# KiCad board 2000ATX.kicad_pcb (continued)
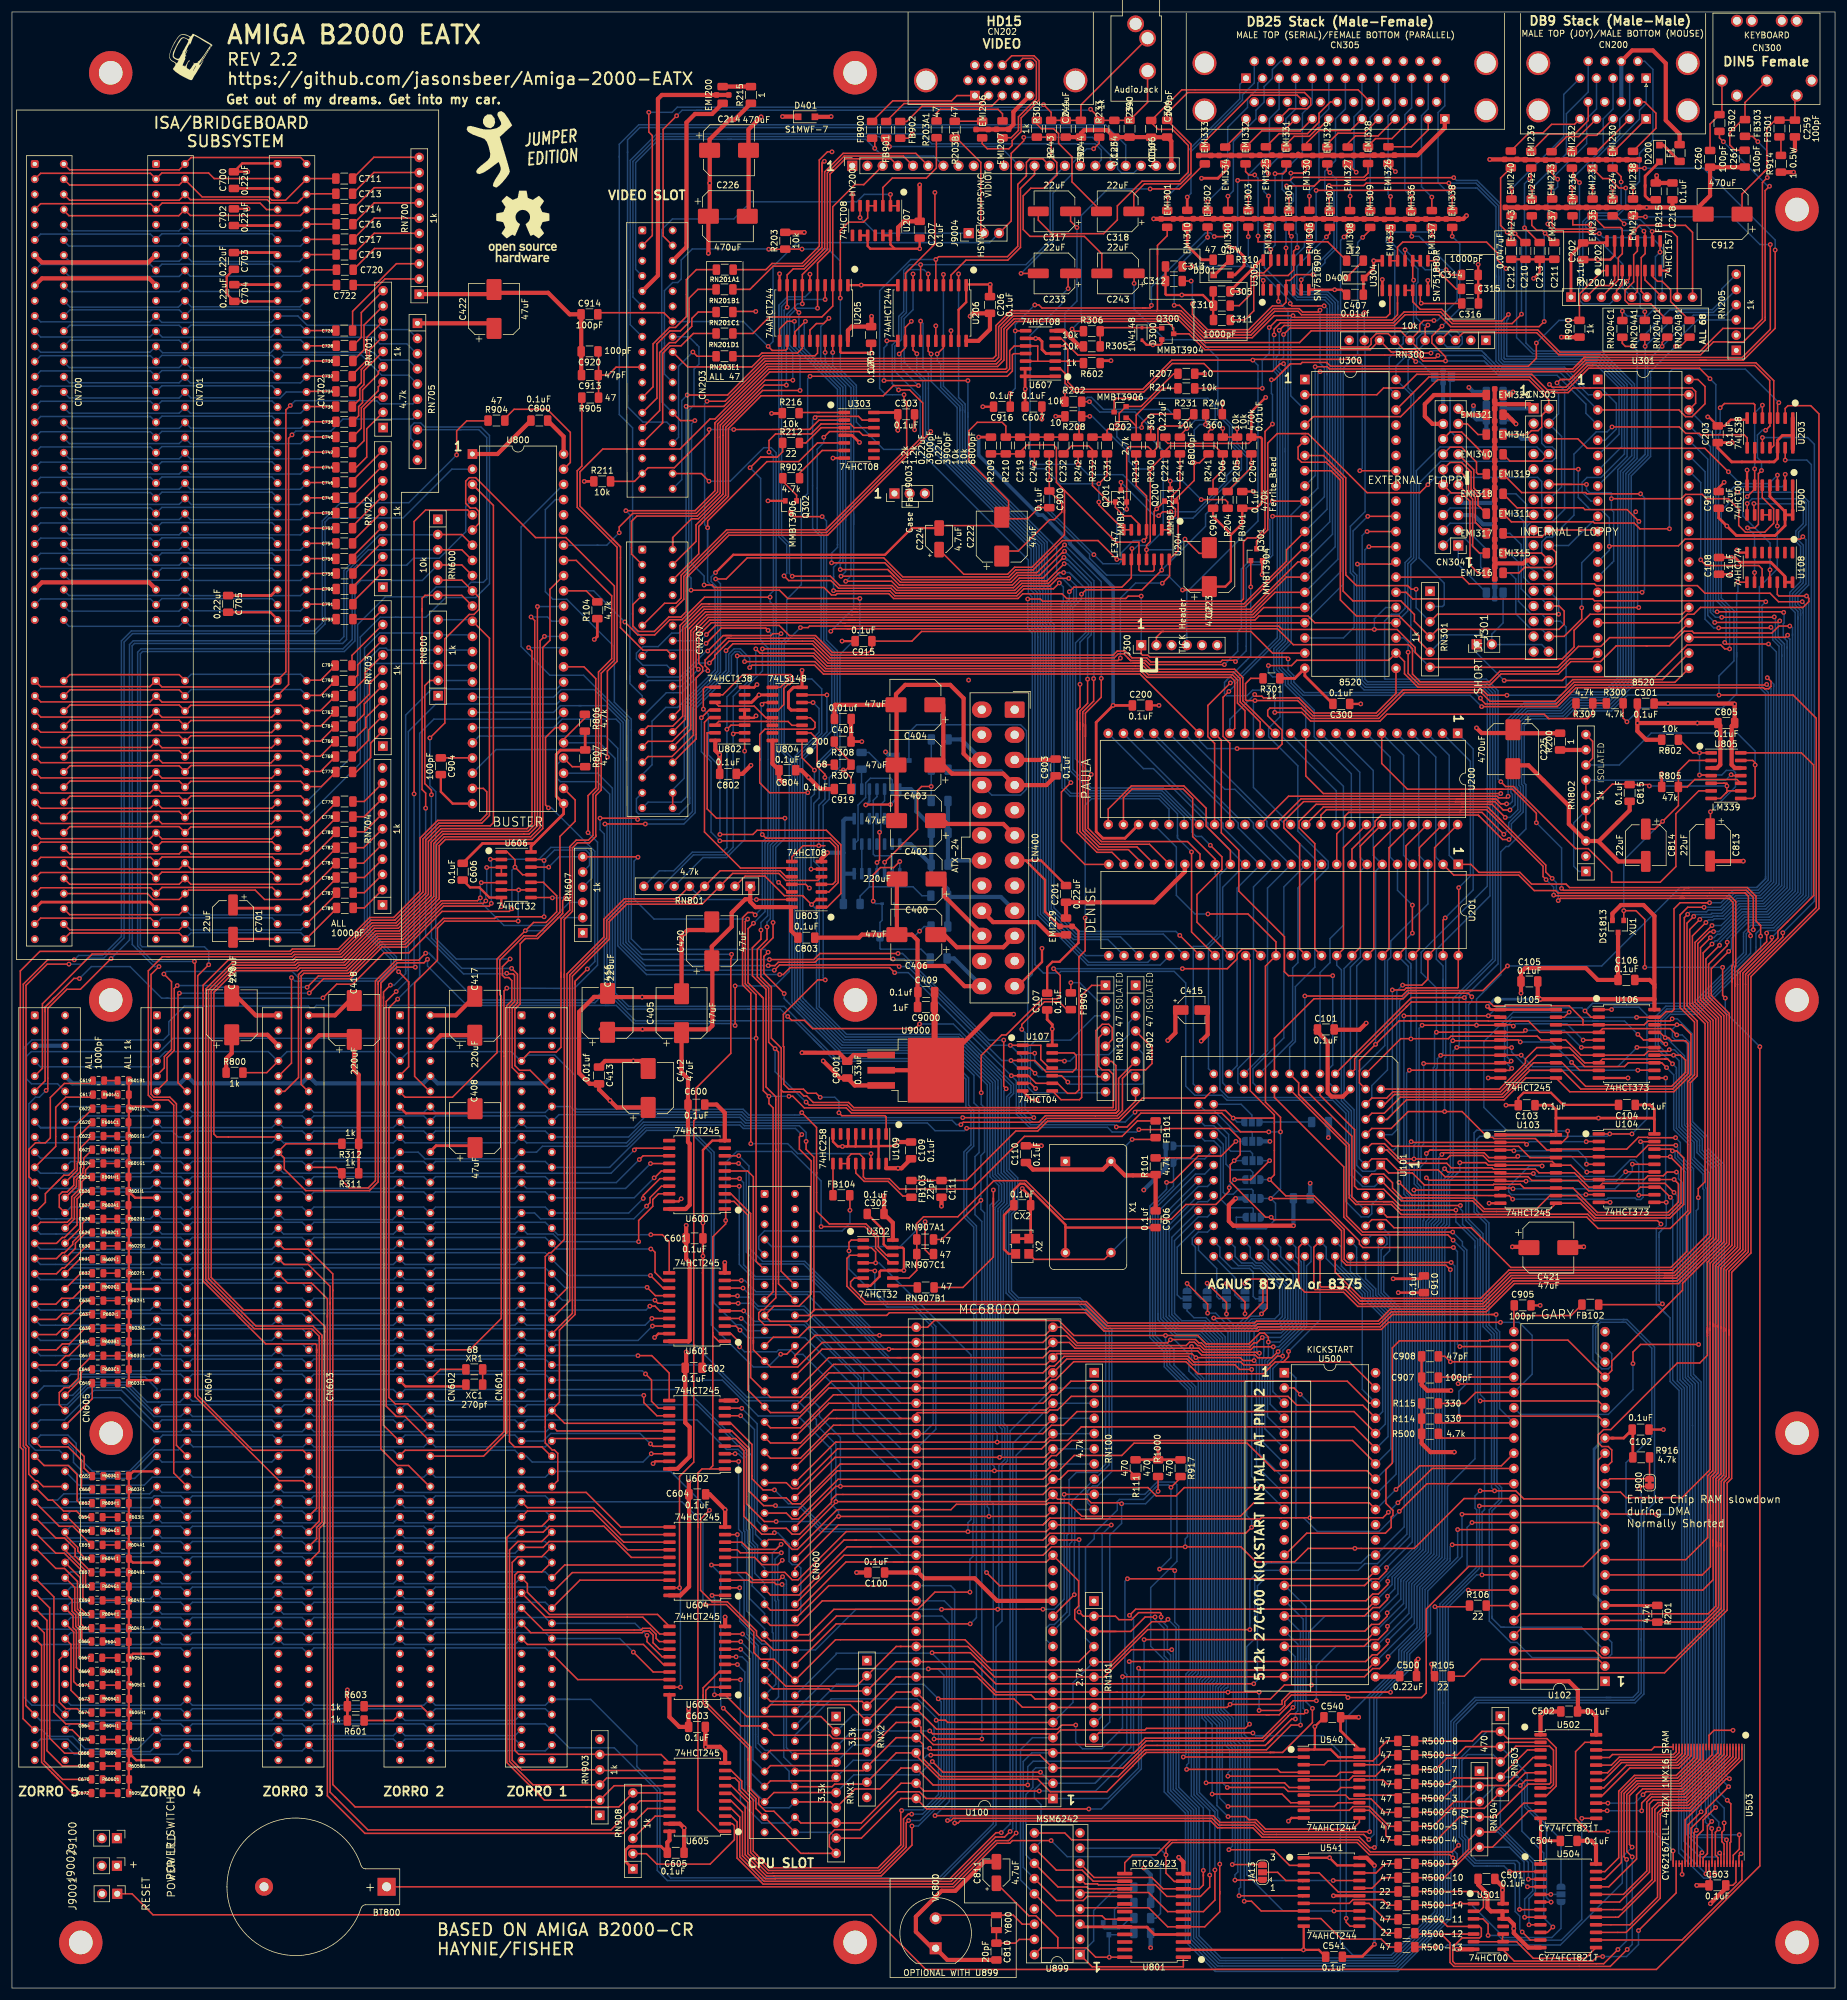
[diagram p0: board, top side]
## Routing (per net, layer and track width the routed paths; a pad name or vN(x,y) marks a point on that pad's centre or on a via; arc(x,y) is an arc through that point) (continued)
_WE: length 172.6
  Top w0.25: U541.11 223.71,10.34 223.07,10.98 v1(223.07,11.64) ; U101.21 224.02,142.35 224.02,132.22 224.84,131.4 229.33,131.4 ; 229.33,131.4 230.79,131.4 232.19,130 v1(241.4,130) ; 229.33,131.4 230.36,131.4
  Bottom w0.25: v1(241.4,130) 241.4,128.04 244.59,124.85 244.59,123.71 ; 244.59,123.71 244.59,124.01 ; 244.59,123.71 244.59,88.44 240,83.84 239.99,71.76 239.99,71.58 235.36,66.94 235.36,60.02 231.86,56.53 231.86,53.96 223.06,45.16 v1(223.07,11.64)
_XCLKEN: length 185.6
  Top w0.25: v1(141.76,232.19) 129.71,232.19 128.32,233.58 v1(113.54,233.58) ; 146.16,143.49 146.16,145.57 145.96,145.77 138.75,145.77 v1(138.26,146.26) ; v1(135.13,148.84) 134.46,149.51 133.01,149.51 132.33,150.19 129.9,150.19 129.05,151.04 129.05,157.27 128.97,157.35 128.97,162.7 134.72,168.46 v1(135.97,168.46)
  Bottom w0.25: v1(135.97,168.46) 135.62,168.81 135.62,197.64 136.64,198.66 136.64,202.24 138.42,204.03 138.42,222.84 141.76,226.18 v1(141.76,232.19) ; v1(113.54,233.58) 113.54,235.6 113.15,235.99 113.16,263.66 114.03,264.53 114.03,270.52 114.86,271.35 114.86,274.24 114.57,274.54 ; 114.57,274.54 114.48,274.63 ; 114.57,274.54 113.18,275.93 CN203.16 ; v1(135.13,148.84) 137.58,148.84 138.26,148.16 v1(138.26,146.26)
A1: length 176.4
  Top w0.25: v1(207.26,103.37) 205.24,103.37 204.45,104.16 197.41,104.16 196.46,105.11 176.36,105.11 U100.29 172.63,101.38 137.02,101.38 131.8,96.16 126.81,96.16 CN600.29 123.05,99.92 123.05,118.27 ; 123.05,118.27 123.05,129.13 120.74,131.45 U600.2 ; 123.05,118.27 123.05,118.46
  Bottom w0.25: 212.8,79.96 207.26,85.5 v1(207.26,103.37) 206.89,103.74 206.89,109.57 207.79,110.47 211.93,110.47 213.3,111.84 213.3,117.51 U101.60 ; U100.29 174.22,102.79
A2: length 297.5
  Top w0.25: 195.35,10.19 196.38,10.19 ; U899.4 178.77,13.42 190.04,13.42 193.22,10.23 U801.5 199.42,10.23 201.93,12.74 201.93,16.11 ; 201.93,16.11 201.93,15.74 ; 201.93,16.11 v1(201.93,20.71) ; 119.18,132.72 120.2,132.72 123.5,129.42 123.5,102.01 CN600.27 126.81,98.7 131.84,98.7 137.34,104.21 172.92,104.21 U100.30 174.72,106.01 197.27,106.01 v1(197.94,105.33) 205.36,105.33 205.84,104.85 v1(207.67,104.85)
  Bottom w0.25: 200.17,31.01 198.53,32.66 198.53,51.47 199.24,52.19 199.24,101.9 198.37,102.77 198.37,104.91 v1(197.94,105.33) ; 200.17,31.01 201.57,29.62 201.57,28.56 201.93,28.19 v1(201.93,20.71) ; 200.17,31.01 201.44,29.74 ; 212.8,82.5 208.07,87.23 208.07,104.45 v1(207.67,104.85) 207.67,109.63 208.03,109.98 212.08,109.98 213.75,111.65 213.75,118.06 210.04,121.78 210.04,123.31 U101.61 ; U100.30 174.07,105.33
A3: length 294.2
  Top w0.25: U899.5 178.77,15.96 190.04,15.96 193.22,12.77 U801.7 199.2,12.77 201.12,14.69 v1(201.12,19.74) ; v1(208.56,106.1) 208.16,106.1 208.02,106.23 199.16,106.23 198.49,106.91 197.5,106.91 v1(197.22,107.19) 196.93,106.91 177.75,106.91 176.79,107.87 U100.31 172.92,106.75 147.3,106.75 ; CN600.26 135.44,106.75 v1(146.6,106.75) 147.3,106.75 ; 196.38,12.73 195.35,12.73 ; 147.3,106.75 147.15,106.75 ; v1(121.65,135.26) U600.5
  Bottom w0.25: 197.22,107.14 197.22,104.99 197.87,104.34 197.87,102.64 198.79,101.71 198.79,52.38 198.08,51.66 198.08,32.47 200.87,29.68 ; U100.31 174.04,107.85 ; v1(121.65,135.26) 122.32,134.58 122.32,120.86 124.29,118.89 133.82,118.89 145.96,106.75 v1(146.6,106.75) ; U101.62 214.2,119.15 214.2,111.47 212.21,109.47 208.79,109.47 208.76,109.5 208.12,108.86 208.12,106.53 v1(208.56,106.1) 208.56,89.28 212.8,85.04 ; v1(201.12,19.74) 201.12,29.43 ; 201.12,29.43 200.87,29.68 ; 201.12,29.43 200.87,29.68
A4: length 294.7
  Top w0.25: U899.6 179.45,17.4 181.48,17.4 181.66,17.23 191.18,17.23 193.09,15.31 U801.9 198.7,15.31 200.25,16.86 v1(200.25,18.87) ; CN600.24 130.91,105.69 134.29,109.07 v1(145.04,109.07) 172.69,109.07 U100.32 175.52,110.41 178.13,107.81 193.18,107.81 v1(193.69,108.32) 193.74,108.37 197.87,108.37 198.43,107.81 198.86,107.81 199.49,107.17 206.9,107.17 206.94,107.13 206.95,107.13 207.62,107.81 208.14,107.81 v1(209.04,108.71) ; 195.35,15.27 196.38,15.27 ; U600.7 v1(121.48,137.8)
  Bottom w0.25: U101.63 212.11,123.78 212.11,122.25 214.65,119.7 214.65,111.28 212.08,108.71 v1(209.04,108.71) 209.28,108.47 209.28,106.44 ; U100.32 174.4,110.41 ; 212.8,87.58 209.01,91.37 209.01,105.07 209.28,105.35 209.28,106.44 ; v1(121.48,137.8) 122.77,136.5 122.77,122.98 124.77,120.98 132.36,120.98 144.28,109.07 v1(145.04,109.07) ; v1(193.69,108.32) 194.37,108.32 196.77,105.92 196.77,103.1 198.34,101.52 198.34,52.56 197.63,51.84 197.63,32.29 200.25,29.66 v1(200.25,18.87) ; 209.28,106.44 209.28,107.2
A5: length 298.6
  Top w0.25: v1(210.06,107.95) 210.06,108.77 209.39,109.44 208.61,109.44 206.8,107.62 199.68,107.62 198.26,109.04 v1(192.86,109.04) 177.53,109.04 175.03,111.54 154.21,111.54 153.08,110.41 U100.33 133.2,110.41 131.53,108.75 127.28,108.75 CN600.21 ; 195.35,16.54 197.01,16.54 ; U600.8 121.51,139.07 v1(121.51,139.06) ; 199.19,18.71 199.19,18.89 ; 199.19,18.89 199.19,17.22 198.55,16.58 U801.10 192.46,16.58 190.57,18.48 180.91,18.48 U899.7 ; 199.19,18.89 v1(199.19,19.65)
  Bottom w0.25: 121.51,139.07 v1(121.51,139.06) 123.22,137.35 123.22,123.7 125.49,121.43 132.55,121.43 143.57,110.41 U100.33 ; 195.91,102.47 197.89,100.49 197.89,52.81 197.18,52.09 197.18,32.1 199.19,30.09 v1(199.19,19.65) ; 195.91,102.47 194.27,104.1 194.27,106.66 192.86,108.07 v1(192.86,109.04) ; 195.91,102.47 195.77,102.6 ; 212.8,90.12 209.46,93.46 209.46,104.86 210.06,105.46 v1(210.06,107.95) 211.96,107.95 215.1,111.09 215.1,120.79 U101.64
A6: length 163.6
  Top w0.25: 123.95,108.22 123.95,106.64 CN600.23 126.81,103.78 131.38,103.78 135.48,107.87 172.38,107.87 173.5,109 176.3,109 177.94,107.36 196.32,107.36 196.88,107.92 197.68,107.92 198.24,107.36 198.67,107.36 199.35,106.68 207.13,106.68 207.6,107.15 v1(210.88,107.15) ; 123.95,108.22 123.95,107.64 ; 123.95,108.22 123.95,135.57 122.99,136.53 U600.6
  Bottom w0.25: U500.5 209.91,95.48 209.91,104.67 210.88,105.64 v1(210.88,107.15) 211.79,107.15 215.55,110.91 215.55,121.34 214.65,122.25 214.65,123.78 U101.65
A7: length 167.2
  Top w0.25: 148.64,105.33 172.38,105.33 173.5,106.46 198.23,106.46 198.9,105.78 207.83,105.78 208.3,105.32 210.65,105.32 v1(211.68,106.35) ; 148.64,105.33 147.93,105.33 ; 148.64,105.33 136.57,105.33 CN600.28 ; v1(121.59,133.99) U600.4
  Bottom w0.25: U100.35 146.74,105.33 133.63,118.44 124.1,118.44 121.59,120.95 v1(121.59,133.99) ; U500.4 210.36,97.57 210.36,104.48 211.68,105.81 v1(211.68,106.35) 211.68,106.4 216,110.72 216,122.12 U101.66
A8: length 463.9
  Top w0.25: v1(121.94,118.24) U601.9 ; 173.5,103.92 174.28,103.92 175.92,105.56 196.64,105.56 197.59,104.61 199.76,104.61 199.8,104.65 205.41,104.65 205.93,104.13 210.09,104.13 211.56,105.59 v1(212.45,105.59) ; 173.5,103.92 172.97,103.39 ; 173.5,103.92 173.3,103.72 ; v1(285.09,229.97) 296.11,229.97 ; U301.38 281.49,264.83 281.49,266.78 280.91,267.37 260.95,267.37 260.18,266.6 256.39,266.6 253.78,269.2 236.89,269.2 233.91,266.22 ; 276.16,118.61 250.83,118.61 246.11,113.9 225.01,113.9 222.65,116.26 216.18,116.26 215.12,117.32 215.12,123.78 U101.67 ; 276.16,118.61 278.23,118.61 284.86,125.24 284.86,161.93 281.85,164.94 281.85,174.54 283.85,176.53 v1(284.48,176.53) ; 276.16,118.61 277.89,118.61 ; 233.91,266.22 234.04,266.34 ; 233.91,266.22 U300.38 ; 173.53,103.94 173.3,103.72 ; 173.3,103.72 172.97,103.39 ; CN600.30 136.57,102.79 172.38,102.79 172.97,103.39
  Bottom w0.25: 289.57,180.3 290.53,180.3 ; 290.53,180.3 293.23,180.3 296.79,183.85 296.79,223.91 ; 290.53,180.3 289.14,180.3 285.37,176.53 v1(284.48,176.53) ; 296.79,223.91 296.79,225.07 296.15,225.71 296.15,227.97 296.28,228.1 296.28,229.81 v1(296.21,229.87) ; 296.79,223.91 296.79,224.13 ; v1(121.94,118.24) 122.51,118.24 124.39,116.35 135.08,116.35 148.64,102.79 U100.36 ; U500.3 210.81,99.66 210.81,103.51 212.45,105.16 212.45,106.53 216.45,110.53 216.45,120.65 217.19,121.39 217.19,123.78 U101.67 ; v1(285.09,229.97) 284.53,229.97 284.42,230.08 284.42,259.65 U301.38
A9: length 452.2
  Top w0.25: v1(122.22,116.97) U601.8 ; 276.27,119.51 277.52,119.51 ; 276.27,119.51 277.86,119.51 283.96,125.62 283.96,161.52 280.95,164.53 280.95,175.8 v1(283.21,178.05) ; 276.27,119.51 250.45,119.51 245.74,114.8 225.71,114.8 ; CN600.32 130.91,94.62 136.55,100.25 172.38,100.25 ; v1(213.43,106.38) 213.43,105.5 212.54,104.61 212.33,104.61 ; 172.38,100.25 173.79,101.67 174.52,101.67 177.51,104.66 196.27,104.66 198.28,102.65 209.25,102.65 211.21,104.61 212.33,104.61 ; 172.38,100.25 173.21,101.09 ; v1(285.85,229.06) 294.59,229.06 v1(294.64,229.11) ; 212.33,104.61 223.64,104.61 U500.41 ; U101.68 218.69,117.35 218.88,117.16 223.07,117.16 225.44,114.8 225.71,114.8 ; 225.71,114.8 226.01,114.8
  In1.Cu w0.25: U300.37 232.82,262.59 257.5,262.59 257.81,262.29 279.24,262.29 U301.37
  Bottom w0.25: v1(294.64,229.11) 294.83,228.92 294.83,225.46 295.89,224.4 295.89,222.53 ; 295.89,222.53 295.89,184.23 292.86,181.2 288.76,181.2 286.23,178.66 284.6,178.66 284.42,178.48 283.64,178.48 v1(283.21,178.05) ; 295.89,222.53 295.89,222.76 ; 283.97,230.23 283.97,257.56 U301.37 ; 283.97,230.23 283.97,229.89 284.81,229.06 v1(285.85,229.06) ; 283.97,230.23 283.97,230.02 ; U101.68 218.69,111.64 v1(213.43,106.38) ; 122.29,116.9 v1(122.22,116.97) 123.29,115.9 132.99,115.9 148.64,100.25 U100.37
A10: length 464.8
  Top w0.25: 276.32,119.06 278.05,119.06 284.41,125.43 284.41,161.7 281.4,164.72 281.4,174.72 v1(284.23,177.55) ; 276.32,119.06 250.64,119.06 245.93,114.35 225.61,114.35 ; 276.32,119.06 277.71,119.06 ; U601.7 119.22,115.66 v1(121.3,115.66) ; 225.61,114.35 225.25,114.35 222.89,116.71 217.86,116.71 217.66,116.91 217.66,123.78 U101.69 ; 225.61,114.35 226.26,114.35 ; v1(284.68,228.19) 295.3,228.19 v1(295.55,228.45) ; 228.04,97.74 226.91,97.74 223.24,101.4 177.05,101.4 174.77,99.13 173.79,99.13 172.38,97.71 136.57,97.71 CN600.34
  In1.Cu w0.25: U301.36 278.95,260.04 264.59,260.04 264.57,260.05 232.82,260.05 U300.36
  Bottom w0.25: 121.27,115.68 v1(121.3,115.66) 121.5,115.45 123.25,115.45 124.76,113.94 132.44,113.94 147.52,98.86 147.52,98.84 148.64,97.71 U100.38 ; 296.34,224.58 296.34,184.04 293.05,180.75 288.95,180.75 285.75,177.55 v1(284.23,177.55) ; 296.34,224.58 295.28,225.64 295.28,228.17 v1(295.55,228.45) ; 296.34,224.58 295.76,225.16 ; 295.76,228.24 295.61,228.4 ; U301.36 283.52,255.47 283.52,229.36 v1(284.68,228.19) ; 218.69,125.2 U101.69 219.73,123.78 219.73,121.9 225.76,115.87 225.76,100.03 228.04,97.74
A11: length 451.2
  Top w0.25: v1(121.41,114.42) 119.19,114.42 U601.6 ; 277.29,119.96 250.27,119.96 245.55,115.25 225.79,115.25 ; 277.29,119.96 277.67,119.96 ; 277.29,119.96 277.54,119.96 283.51,125.93 283.51,161.33 280.5,164.34 280.5,176.87 v1(282.19,178.56) ; CN600.36 136.57,95.17 148.64,95.17 ; v1(285.34,227.28) 293.98,227.28 v1(294.08,227.38) ; 225.79,115.25 226.01,115.25 ; 225.79,115.25 225.62,115.25 221.23,119.64 U101.70 ; 228.04,95.2 225.86,97.38 214.82,97.38 213.34,98.86 177.1,98.86 174.82,96.59 173.55,96.59 173.1,96.14 151.38,96.14 150.42,95.17 148.64,95.17 ; 148.64,95.17 148.27,95.17
  In1.Cu w0.25: U300.35 232.82,257.51 264.57,257.51 264.88,257.21 279.24,257.21 U301.35
  Bottom w0.25: 130.41,113.36 124.71,113.36 123.65,114.42 v1(121.41,114.42) ; 130.41,113.36 130.07,113.36 ; 130.41,113.36 132.38,113.36 142.41,103.33 142.41,101.41 148.64,95.17 U100.39 ; U301.35 283.07,253.38 283.07,228.73 284.52,227.28 v1(285.34,227.28) ; 294.13,227.38 294.38,227.13 294.38,225.27 295.44,224.21 295.44,184.41 292.67,181.65 288.58,181.65 286.05,179.12 285.19,179.12 ; v1(282.19,178.56) 282.56,178.93 284.23,178.93 284.42,179.12 285.19,179.12 ; 285.19,179.12 284.99,179.12 ; U101.70 221.23,121.03 226.21,116.06 226.21,115.04 229.17,112.08 229.17,96.32 228.04,95.2
A12: length 225.3
  Top w0.25: v1(122.33,113.16) 119.18,113.16 ; CN600.38 136.57,92.63 148.64,92.63 ; 228.04,92.66 224.38,96.32 178.06,96.32 175.77,94.03 173.77,94.03 172.38,92.63 148.64,92.63 ; U302.1 140.31,124.98 139.94,124.61 v1(139.94,123.18) ; 148.64,92.63 148.28,92.63
  Bottom w0.25: 228.04,92.66 229.62,94.23 229.62,112.27 226.66,115.23 226.66,116.25 222.27,120.63 222.27,123.78 U101.71 ; v1(139.94,123.18) 139.94,120.16 146.3,113.79 150.56,113.79 154.01,110.34 154.01,94.29 152.36,92.63 U100.40 ; 150.6,92.63 148.64,92.63 141.96,99.32 141.96,101.96 132.52,111.4 124.08,111.4 v1(122.33,113.16)
A13: length 232.2
  Top w0.25: v1(121.92,111.89) U601.4 ; 178.81,93.78 176.54,91.51 173.55,91.51 172.14,90.09 138,90.09 131.36,83.46 130.44,83.46 129.46,84.44 CN600.39 ; 178.81,93.78 224.38,93.78 228.04,90.12 ; 178.81,93.78 183.56,93.78 ; v1(144.26,119.82) 144.18,119.9 U302.5
  Bottom w0.25: 228.04,90.12 230.07,92.14 230.07,112.45 227.11,115.42 227.11,116.43 223.77,119.77 U101.72 ; v1(144.26,119.82) 144.26,116.47 146.49,114.24 150.75,114.24 154.46,110.53 154.46,93.37 U100.41 148.64,90.09 141.51,97.23 141.51,101.77 132.46,110.82 123.08,110.82 122.01,111.89 v1(121.92,111.89)
A14: length 194.5
  Top w0.25: U601.3 121.03,110.62 v1(121.72,109.93) ; CN600.41 129.46,81.9 130.44,80.92 131.84,80.92 138.47,87.55 172.38,87.55 173.79,88.97 174.63,88.97 177.15,91.49 224.13,91.49 228.04,87.58
  Bottom w0.25: 224.81,122.04 224.81,123.78 U101.73 ; 224.81,122.04 224.81,121.78 ; 224.81,122.04 224.81,119.37 227.56,116.62 227.56,115.6 230.52,112.64 230.52,90.05 228.04,87.58 ; U100.42 148.64,87.55 141.06,95.14 141.06,100.21 132.59,108.68 122.97,108.68 v1(121.72,109.93)
A15: length 196.1
  Top w0.25: CN600.43 129.46,79.36 130.44,78.38 131.49,78.38 138.12,85.01 172.38,85.01 173.79,86.43 175.02,86.43 177.59,88.99 185.55,88.99 187.6,91.04 206.5,91.04 211.09,86.45 226.56,86.45 U500.35 ; U601.2 120.2,109.35 121.67,107.88 v1(121.67,107.14)
  Bottom w0.25: v1(121.67,107.14) 122.48,106.32 127.86,106.32 128.18,106.64 130.12,106.64 130.88,105.88 132.24,105.88 140.61,97.51 140.61,93.05 148.64,85.01 U100.43 ; 228.04,85.04 230.97,87.96 230.97,112.83 228.01,115.79 228.01,116.83 226.31,118.52 U101.74
A16: length 177.3
  Top w0.25: U602.9 121.99,96.9 v1(122.01,96.87) ; 228.04,82.5 226.92,83.62 196,83.62 194.62,82.24 191.31,82.24 189.93,83.62 173.53,83.62 172.38,82.47 137.86,82.47 137.02,81.63 137.02,81.17 131.69,75.84 130.44,75.84 129.46,76.82 CN600.45
  Bottom w0.25: 122,96.89 v1(122.01,96.87) 124.59,94.3 124.59,78.06 CN600.45 ; U101.75 228.46,124.42 228.46,115.98 231.42,113.02 231.42,85.87 228.04,82.5
A17: length 209.4
  Top w0.25: U602.8 v1(121.83,95.63) ; U102.33 249.01,87.27 235.35,87.27 v1(231.39,83.31) ; CN600.47 126.49,74.93 128.88,74.93 129.32,74.5 129.32,74.43 130.44,73.3 131.32,73.3 137.95,79.93 U100.45 156.99,79.93 157.88,80.83 173.03,80.83 173.26,81.06 176.65,81.06 178.87,78.83 205.38,78.83 207.63,81.08 226.92,81.08 228.04,79.96
  Bottom w0.25: v1(121.83,95.63) 124.14,93.32 124.14,77.16 124.32,76.98 124.32,75.79 CN600.47 ; 228.04,79.96 v1(231.39,83.31) 231.87,83.78 231.87,113.2 228.91,116.16 228.91,123.33 229.89,124.32 229.89,125.31 229.35,125.85 227.35,125.85 U101.76
A18: length 245.8
  Top w0.25: 123.72,85.63 123.72,85.52 ; 123.72,85.63 123.72,85.1 125.59,83.24 v1(127.48,83.24) ; 123.72,85.63 123.72,90.84 120.2,94.36 119.18,94.36 ; v1(230.12,79.5) 229.21,78.59 v1(217.02,78.59) 208.89,78.59 208.69,78.38 178.69,78.38 178.55,78.52 173.5,78.52 ; 212.8,100.28 214.33,100.28 v1(215.39,99.21) ; CN600.52 130.91,70.12 138.18,77.39 172.38,77.39 ; 172.38,77.39 173.22,78.24 ; 172.38,77.39 173.5,78.52 ; 173.5,78.52 173.22,78.24 ; 173.22,78.24 173.52,78.54 ; U102.34 237.44,86.82 v1(231.71,81.09)
  Bottom w0.25: v1(230.12,79.5) v1(231.71,81.09) 232.32,81.69 232.32,113.39 229.36,116.35 229.36,122.22 230.34,123.2 230.34,125.87 U101.77 ; v1(215.39,99.21) 217.02,97.59 v1(217.02,78.59) ; U100.46 135.36,77.39 131.84,80.92 129.8,80.92 v1(127.48,83.24)
A19: length 257.4
  Top w0.25: U102.35 236.58,84.28 v1(231.95,79.65) ; v1(207.26,76.99) 206.25,75.98 202.97,75.98 ; 202.97,75.98 204.28,75.98 ; 202.97,75.98 173.5,75.98 172.38,74.85 141.19,74.86 ; 141.19,74.86 140.94,74.86 ; 141.19,74.86 139.11,74.86 CN600.54 ; v1(127.66,80.61) 125.67,80.61 123.27,83.01 123.27,90.17 120.35,93.09 U602.6
  Bottom w0.25: 214.76,78.54 215.99,78.54 218.24,76.29 228.59,76.29 v1(231.95,79.65) ; 214.76,78.54 214.67,78.64 214.67,101.93 213.78,102.82 U500.1 ; 214.76,78.54 212.2,78.54 ; v1(127.66,80.61) 127.92,80.34 131.78,80.34 135.41,76.71 146.78,76.71 148.64,74.85 U100.47 ; 212.2,78.54 208.82,78.54 v1(207.26,76.99) 207.26,78.14 206.44,78.95 206.44,105.09 206.44,109.76 207.61,110.92 211.75,110.92 212.85,112.03 212.85,117.32 209.02,121.16 208.03,121.16 207.03,122.15 207.03,123.78 U101.59 ; 212.2,78.54 211.89,78.54
A20: length 286.5
  Top w0.25: U602.5 120.98,91.82 122.82,89.98 122.82,80.92 125.79,77.95 v1(127.76,77.95) ; CN600.56 139.11,72.31 172.38,72.31 173.79,73.73 v1(196.16,73.73) 205.46,73.73 207.98,71.21 210.56,71.21 214.45,71.21 216.7,73.46 234.45,73.46 242.77,81.79 251.05,81.79 U102.36 ; v1(204.62,141.48) 202.16,139.02 198.34,139.02 193.94,134.62 v1(193.04,134.62)
  In1.Cu w0.25: v1(224.53,73.46) 224.53,99.37 U500.42
  Bottom w0.25: JA2.1 v1(204.62,141.48) ; v1(193.04,134.62) 193.04,133.45 190.26,130.67 190.26,109.74 190.25,109.73 190.25,108.71 192.65,106.31 192.65,103.82 196.54,99.93 196.54,75.44 196.16,75.05 v1(196.16,73.73) ; v1(127.76,77.95) 133.53,77.95 135.22,76.26 144.69,76.26 148.64,72.31 U100.48
A21: length 250.4
  Top w0.25: U602.4 121.62,90.55 122.37,89.79 122.37,80.54 ; v1(227.79,23.47) 227.03,23.47 225.28,25.21 210.17,25.21 209.02,25.21 207.46,26.77 201.57,26.77 200.44,27.9 158.52,27.9 158.18,27.56 v1(157.61,27.56) ; 122.37,80.54 122.37,79.83 ; 122.37,80.54 122.37,78.83 125.36,75.84 127.23,75.84 v1(127.47,76.08) 127.29,76.26 ; U102.37 251.07,79.16 v1(242.43,79.16) ; U100.50 136.57,67.23 CN600.58
  Bottom w0.25: v1(227.79,23.47) 228.16,23.84 228.16,48.35 233.21,53.4 233.21,55.97 236.71,59.46 236.71,66.38 242.43,72.1 v1(242.43,79.16) ; v1(157.61,27.56) 157.61,66.56 156.93,67.23 U100.50 ; v1(127.47,76.08) 128.04,76.08 129.93,74.18 129.93,71.27 130.44,70.76 131.3,70.76 131.89,70.17 131.89,62.56 CN600.58
A22: length 240.9
  Top w0.25: 226.87,24.79 v1(226.85,24.82) 226,25.66 211.44,25.66 209.21,25.66 207.65,27.22 201.76,27.22 200.63,28.35 157.35,28.35 156.98,27.99 v1(156.42,27.99) ; v1(120.9,89.28) U602.3 ; U100.51 135.47,64.69 131.38,60.6 126.81,60.6 CN600.57 ; v1(241.71,76.61) 251.05,76.61 U102.38
  Bottom w0.25: v1(156.42,27.99) 157.16,28.73 157.16,63.41 155.88,64.69 U100.51 ; CN600.57 125.83,62.58 123.3,65.11 123.3,73.4 122.52,74.19 122.52,76.23 122.34,76.41 122.34,88.41 121.47,89.28 v1(120.9,89.28) ; v1(226.85,24.82) 227.7,25.67 227.7,48.52 232.76,53.59 232.76,56.15 236.26,59.65 236.26,66.57 241.71,72.01 v1(241.71,76.61)
A23: length 237.7
  Top w0.25: 134.94,59.25 137.85,62.15 U100.52 ; 134.94,59.25 133.75,58.06 126.81,58.06 CN600.59 ; 134.94,59.25 134.75,59.06 ; v1(121.49,88) 121.48,88.01 U602.2 ; U102.39 251.05,74.07 v1(240.79,74.07) ; v1(154.33,28.8) 200.81,28.8 201.94,27.67 207.81,27.67 207.82,27.69 209.4,26.11 v1(226.97,26.11)
  Bottom w0.25: v1(121.49,88) 121.49,76.63 122.07,76.05 122.07,74 122.85,73.22 122.85,63.02 125.83,60.04 CN600.59 ; U100.52 155.5,62.15 156.71,60.95 156.71,31.18 v1(154.33,28.8) ; v1(240.79,74.07) 240.44,73.72 240.44,71.76 240.44,71.39 235.81,66.75 235.81,59.83 232.31,56.34 232.31,53.78 226.97,48.44 v1(226.97,26.11)
AgnusCLK: length 56.8
  Top w0.25: 150.47,134.95 155.39,134.95 C111.1 159.55,134.93 167.83,143.21 171.5,143.21 173.15,144.87 185.15,144.87 189,148.71 199.41,148.71 U101.34
AUDIN: length 33.1
  Top w0.25: C317.1 176.99,295.24 v1(178.05,294.18) ; R202.1 v1(176.04,266.73)
  Bottom w0.25: v1(178.05,294.18) 178.05,281.89 176.04,279.88 v1(176.04,266.73)
AUDIO: length 417.2
  Top w0.25: 110.46,197.69 110.46,200.23 ; 166.62,245.52 166.62,248.51 159.98,255.16 159.98,260.22 161.39,261.63 165.54,261.63 166.17,261.01 R210.2 C232.2 ; 166.62,245.52 165.47,244.37 ; 166.62,245.52 169.83,245.52 v1(171.7,247.4) 173.4,247.4 C900.2 ; C224.2 155.02,244.32 154.96,244.37 164.89,244.37 165.8,245.27 ; C204.2 207.21,258.56 206.76,258.11 193.26,258.11 192.84,258.53 C221.1
  Top w0.381: C224.2 150.44,243.96 145.97,239.5 120.6,239.5 v1(117.63,236.52) ; v1(209.61,265.79) 207.21,263.39 C204.2 208.72,259.16 208.98,258.89 208.98,248.18 208.07,247.27 FB401.2 205.69,244.72 203.79,242.82 ; C901.1 200.81,245.94 203.79,242.96 203.79,242.82 ; 203.79,242.82 203.79,235.1 202.87,234.18 C223.1 199.62,233.61 v1(195.71,233.61) ; C212.2 C211.2 ; v1(254.41,285.68) 255.42,286.69 C213.2
  In1.Cu w0.381: 224.24,277.99 224.24,282.91 217.41,289.73 205.97,289.73 200.96,294.75 200.96,305.99 187.86,319.09 CN205.S ; 224.24,277.99 221.81,277.99 v1(209.61,265.79) ; 224.24,277.99 233.23,277.99 235.56,280.32 240.51,280.32 245.87,285.68 v1(254.41,285.68) ; U200.34 199.72,200.84 199.72,212.5 197.72,214.5 197.72,231.6 v1(195.71,233.61)
  Bottom w0.25: 117.87,219.93 117.5,219.56 ; 117.5,219.56 118,220.06 118,233.94 116.9,235.04 116.9,235.79 v1(117.63,236.52) ; 117.5,219.56 112.4,214.46 112.4,202.16 110.46,200.23 ; v1(195.71,233.61) 193.23,236.09 183.01,236.09 180.17,238.93 180.17,239.6 172.37,247.4 v1(171.7,247.4)
AUDOUT: length 39.9
  Top w0.25: R302.1 R243.2 173.74,306 174.68,305.06 174.68,302.93 172.5,300.74 170.33,300.74 169.06,299.47 169.06,293.85 170.21,292.7 179.29,292.7 182.21,289.78 C243.2
B0: length 108.8
  Top w0.25: RN201A1.1 126.05,287.15 127.07,288.17 132.09,288.17 134.97,291.06 134.97,305.46 136.34,306.83 v1(137.1,306.83) ; v1(154.31,300.04) 154.31,291.43 149.38,286.51 U206.9
  In1.Cu w0.25: 149.37,308.64 149.38,308.63 149.38,303.7 150.85,302.23 153.19,302.23 154.31,301.12 v1(154.31,300.04) ; 149.37,308.64 138.9,308.64 v1(137.1,306.83) ; 149.37,308.64 167.19,308.64 169.79,306.03 169.79,303.93 170.41,303.32 177.41,303.32 HY200.16
B1: length 131.3
  Top w0.25: v1(148.23,267.04) 150.09,267.04 152.27,264.86 152.27,259.31 136.18,243.22 119.67,243.22 112.33,235.87 112.33,232.07 CN207.10 ; U206.7 v1(151.92,287.97)
  Bottom w0.25: HY200.15 173.58,302.03 173.58,292.03 169.53,287.97 v1(151.92,287.97) 150.05,287.97 149.09,287.02 149.09,280.16 148.26,279.33 148.26,275.64 147.16,274.54 147.16,268.12 v1(148.23,267.04)
B2: length 138.4
  Top w0.25: HY200.14 172.33,305.67 170.22,305.67 169.6,305.06 169.6,302.84 168.16,301.39 168.16,291.04 166.43,289.31 154.93,289.31 v1(154.46,288.84) U206.5 ; v1(149.14,266.24) 149.14,265.45 149.59,265.01 149.59,257.26 136,243.67 119.49,243.67 111.88,236.06 111.88,232.25 111.02,231.39 109.11,231.39 CN207.11
  Bottom w0.25: v1(149.14,266.24) 146.13,266.24 145.07,267.3 145.07,283.63 150.27,288.84 v1(154.46,288.84)
B3: length 103.9
  Top w0.25: 135.42,303.55 135.42,304.84 v1(135.83,305.24) ; U206.3 157,286.23 159.51,288.73 166.5,288.73 168.61,290.85 168.61,300.69 170.97,303.05 HY200.13 ; RN201B1.1 123.38,283.85 127.26,287.72 132.27,287.72 135.42,290.88 135.42,305.1
  In1.Cu w0.25: v1(135.83,305.24) 135.83,306.64 138.47,309.28 146.27,309.28 146.45,309.09 167.38,309.09 170.97,305.5 HY200.13
BA1: length 134.4
  Top w0.25: 109.1,132.72 109.88,132.72 108.08,132.72 107.13,131.77 107.13,130.62 104.78,128.26 v1(104.78,124.71) ; CN605.29 4.79,127.95 9.23,127.95 9.98,128.7 9.98,132.22 11.23,133.47 11.23,134.93 12.29,135.99 12.29,136.68 C624.2
  Bottom w0.25: 3.78,126.97 4.76,125.99 23.12,125.99 24.1,126.97 25.08,125.99 43.44,125.99 44.42,126.97 45.4,125.99 63.76,125.99 64.74,126.97 65.72,125.99 84.08,125.99 85.06,126.97 ; v1(104.78,124.71) 91.77,124.71 90.49,125.99 86.17,125.99 CN601.29
BA2: length 135.4
  Top w0.25: 7.92,135.08 5.59,132.74 5.59,131.29 CN605.27 ; 7.92,135.08 8.67,135.83 9.49,135.83 10.47,136.81 10.47,143.93 C622.2 ; 7.92,135.08 7.31,134.47 ; v1(106.1,130.66) 106.68,131.24 106.68,132.08 108.59,133.99 U600.17
  Bottom w0.25: v1(106.1,130.66) 103.97,128.53 88.36,128.53 87.38,129.51 85.06,129.51 84.08,128.53 65.72,128.53 64.74,129.51 63.63,128.4 45.53,128.4 44.42,129.51 43.44,128.53 25.08,128.53 24.1,129.51 23.12,128.53 4.76,128.53 3.78,129.51
BA3: length 116
  Top w0.25: v1(107.37,135.38) 107.42,135.38 108.56,136.53 U600.15 ; CN605.26 10.78,133.95 10.78,135.12 11.84,136.18 11.84,136.86 12,137.02 12,138.67 C621.2
  Bottom w0.25: v1(107.37,135.38) 104.04,132.05 90.14,132.05 89.16,133.03 70.8,133.03 69.82,132.05 68.84,133.03 50.48,133.03 49.5,132.05 48.52,133.03 30.16,133.03 29.18,132.05 28.2,133.03 9.84,133.03 8.86,132.05
BA4: length 118.1
  Top w0.25: C620.2 11.1,142.28 11.1,138 10.92,137.82 10.92,136.63 CN605.24 ; U600.13 105.51,139.07 v1(104.89,138.44)
  Bottom w0.25: 8.86,134.59 9.84,135.57 28.2,135.57 29.18,134.59 30.16,135.57 48.52,135.57 49.5,134.59 50.48,135.57 68.84,135.57 69.82,134.59 70.8,135.57 89.16,135.57 90.14,134.59 101.04,134.59 v1(104.89,138.44)
BA5: length 130.1
  Top w0.25: v1(104.05,140.04) 104.34,140.34 109.88,140.34 ; CN605.21 7.31,140.64 7.31,147.17 9,148.85 13.11,148.85 C617.2
  Bottom w0.25: 3.78,137.13 4.76,136.15 23.12,136.15 24.1,137.13 25.08,136.15 43.44,136.15 44.42,137.13 45.4,136.15 63.76,136.15 64.74,137.13 65.72,136.15 84.08,136.15 85.06,137.13 86.04,136.15 100.16,136.15 v1(104.05,140.04)